# Altium PCB PCB5.PcbDoc (part 15 of 16) (continued)
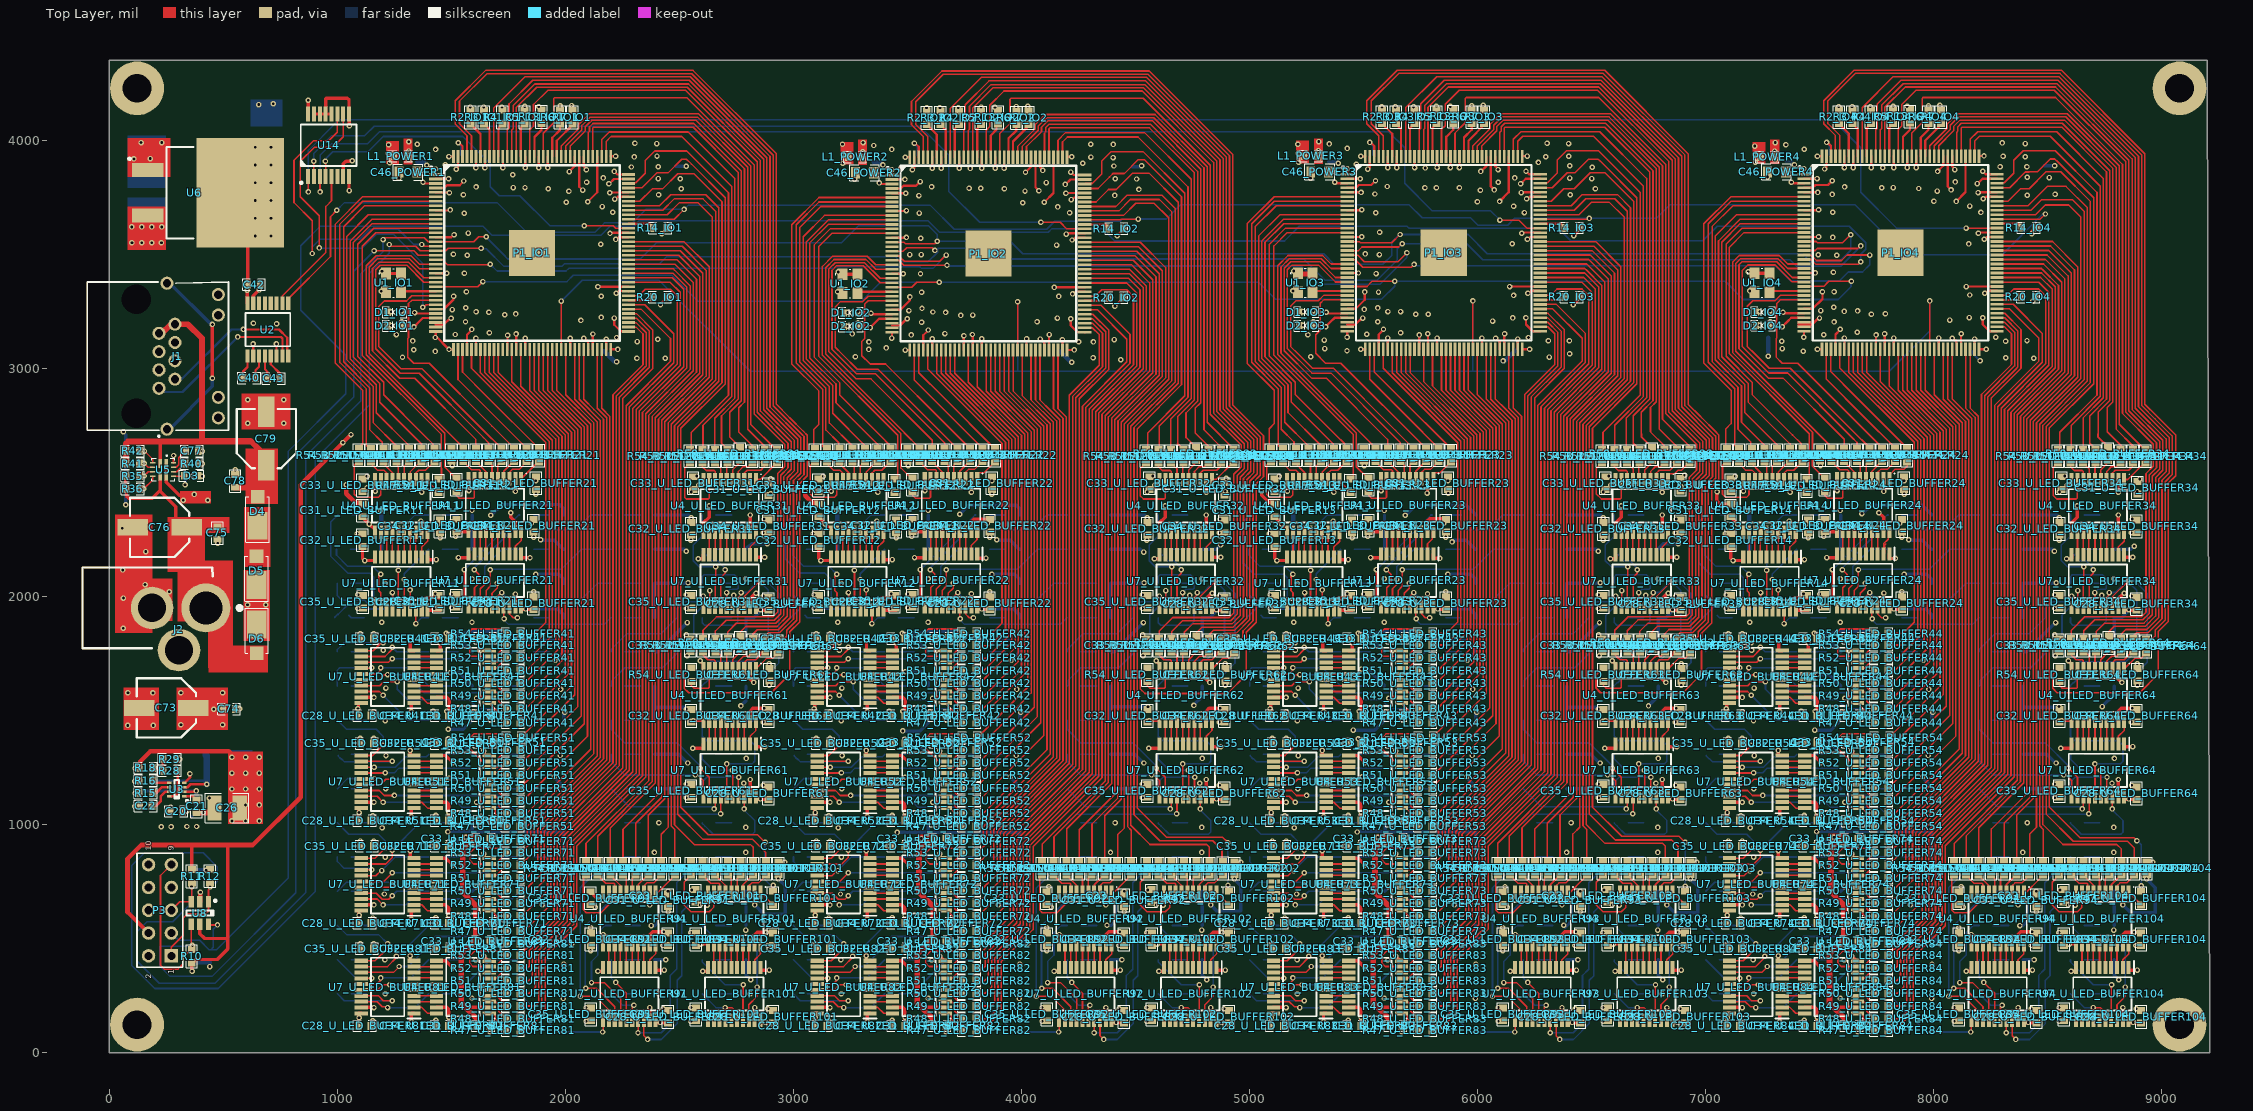
[diagram p0: Top Layer view]
## Nets (pads, with @x,y where several pads share a name; then routed paths per layer and width w, separated by ;. In a path a pad name is that pad's centre, name@x,y a point inside that pad or via, vN(x,y) a via of type N, cw(c..) or ccw(c..) an arc to the next point about the centre after c; other vN are vias at no path point) (continued)
  Bottom Layer w15: v1(1477.78,1838.7) 1510.6,1838.7 ; v1(1485.19,968.51) 1486.6,969.93 1593.51,969.93 1595.27,968.16 1992.13,968.16 D7_U_LED_BUFFER51.1@1992.13,1007.16 D10_U_LED_BUFFER71.1@1992.13,857.16 ; v1(1487.41,1376.34) 1522.95,1376.34 D12_U_LED_BUFFER51.1@1592.13,1307.16 ; v1@1488.19,1417.32 1552.29,1417.32 D7_U_LED_BUFFER41.1@1592.13,1457.16 ; v1(1488.65,923.97) 1525.32,923.97 D11_U_LED_BUFFER71.1@1592.13,857.16 ; v1@1491.79,1201.71 1491.79,1201.12 1492.13,1200.79 1548.5,1200.79 D9_U_LED_BUFFER51.1@1592.13,1157.16 ; v1(1496.27,1664.89) 1534.4,1664.89 D10_U_LED_BUFFER41.1@1592.13,1607.16 ; D8_U_LED_BUFFER71.1@1592.13,707.16 v1@1611.38,726.42 ; 1592.13,971.3 D13_U_LED_BUFFER71.1@1592.13,1007.16 ; D13_U_LED_BUFFER41.1@1592.13,1757.16 1510.6,1838.7 ; D9_U_LED_BUFFER11.1@1592.13,2207.16 D10_U_LED_BUFFER11.1@1592.13,2357.16 ; v1@1680,2360 1723.16,2403.16 1974.35,2403.16 1992.13,2385.39 D14_U_LED_BUFFER21.1@1992.13,2357.16 ; v1(1826.32,1945.38) 1826.47,1945.52 1965.27,1945.52 1992.13,1918.67 D7_U_LED_BUFFER21.1@1992.13,1907.16 ; v1(1870.63,2097.16) 1970.63,2097.16 1992.13,2075.67 D10_U_LED_BUFFER21.1@1992.13,2057.16 ; v1(1891.38,2248.48) 1892.69,2247.16 1950.63,2247.16 1990.63,2207.16 D12_U_LED_BUFFER21.1@1992.13,2207.16 ; v1@1897.63,645.16 1930.13,645.16 D7_U_LED_BUFFER71.1@1992.13,707.16 ; v1@1950.63,1207.16 1992.13,1165.67 D8_U_LED_BUFFER51.1@1992.13,1157.16 ; v1(1955.08,1719.35) 1992.13,1756.39 D12_U_LED_BUFFER41.1@1992.13,1757.16 1992.13,1765.67 1950.63,1807.16 1790.63,1807.16 1750.63,1847.16 1570.63,1847.16 1562.16,1838.7 1510.6,1838.7 ; D8_U_LED_BUFFER41.1@1991.85,1450.06 1991.85,1456.89 D8_U_LED_BUFFER41.1@1992.13,1457.16 1992.13,1488.39 v1@1995.69,1491.95 ; D12_U_LED_BUFFER81.1@1992.13,557.16 1992.13,509.67 v1@2026.63,475.16 ; D10_U_LED_BUFFER91.1@2392.13,407.16 v1(2440.63,407.16) ; D11_U_LED_BUFFER91.1@2392.13,557.16 D11_U_LED_BUFFER91.1@2391.59,556.62 ; D12_U_LED_BUFFER91.1@2392.13,707.16 2392.13,685.67 2410.63,667.16 2410.63,575.67 D11_U_LED_BUFFER91.1@2391.59,556.62 ; D12_U_LED_BUFFER61.1@2392.13,1157.16 2490.63,1157.16 v1(2530.63,1117.16) ; D14_U_LED_BUFFER61.1@2392.13,1307.16 2497.2,1307.16 v1@2535.92,1268.44 ; D13_U_LED_BUFFER61.1@2392.13,1457.16 2392.13,1514.16 ; D13_U_LED_BUFFER31.1@2392.13,1607.16 2392.13,1514.16 ; D14_U_LED_BUFFER31.1@2392.13,1757.16 2406.63,1757.16 v1@2533.63,1884.16 ; D8_U_LED_BUFFER21.1@2392.13,1907.16 D9_U_LED_BUFFER21.1@2392.13,2057.16 2534.63,2057.16 v1@2536.63,2059.16 ; D11_U_LED_BUFFER21.1@2392.13,2207.16 2521.27,2207.16 v1(2530.08,2198.35) ; D13_U_LED_BUFFER21.1@2392.13,2357.16 2539.33,2357.16 v1(2551.92,2344.57) ; v1(2530.01,1506.1) 2521.94,1514.16 2392.13,1514.16 ; v1(2770,1520) 2792.13,1542.13 D8_U_LED_BUFFER31.1@2792.13,1607.16 ; D8_U_LED_BUFFER101.1@2792.13,407.16 2792.13,339.47 v1(2812.68,318.92) 2810.92,317.16 v1@2810.63,317.16 ; D7_U_LED_BUFFER101.1@2792.13,557.16 D7_U_LED_BUFFER91.1@2792.13,707.16 ; D10_U_LED_BUFFER61.1@2792.13,1457.16 2819.04,1457.16 v1(2871.3,1509.43) ; D7_U_LED_BUFFER31.1@2792.13,1757.16 D9_U_LED_BUFFER31.1@2792.13,1907.16 2826.14,1907.16 2854,1935.03 2854,1940.32 v1(2855.73,1942.04) ; D11_U_LED_BUFFER31.1@2792.13,2207.16 2792.13,2209.13 2798.41,2215.41 2800.38,2215.41 2816.73,2231.77 v1(2885.96,2231.77) ; v1(3455.55,965.11) 3456.38,965.94 3575.63,965.94 ; v1(3477.78,1838.7) 3510.6,1838.7 ; v1@3484.92,1412.32 3487.8,1409.45 3555.12,1409.45 3592.13,1446.46 D7_U_LED_BUFFER42.1@3592.13,1457.16 ; v1@3488.19,1370.08 3489.17,1371.06 3495.94,1371.06 3496.92,1370.08 3529.21,1370.08 3583.88,1315.41 3585.85,1315.41 3592.13,1309.13 D12_U_LED_BUFFER52.1@3592.13,1307.16 ; v1(3488.65,923.97) 3525.32,923.97 D11_U_LED_BUFFER72.1@3592.13,857.16 ; v1@3490.78,1206.8 3542.49,1206.8 D9_U_LED_BUFFER52.1@3592.13,1157.16 ; v1@3492.13,1669.29 3559.06,1669.29 3592.13,1636.22 D10_U_LED_BUFFER42.1@3592.13,1607.16 ; 3575.63,966.16 3592.13,966.16 ; D8_U_LED_BUFFER72.1@3592.13,707.16 v1@3611.38,726.42 ; D13_U_LED_BUFFER72.1@3592.13,1007.16 3592.13,966.16 ; D13_U_LED_BUFFER42.1@3592.13,1757.16 3510.6,1838.7 ; D9_U_LED_BUFFER12.1@3592.12,2207.17 D10_U_LED_BUFFER12.1@3592.12,2357.17 ; v1(3730,2360) 3770,2400 3977.52,2400 3992.13,2385.39 D14_U_LED_BUFFER22.1@3992.13,2357.16 ; v1(3826.32,1945.38) 3826.47,1945.52 3965.27,1945.52 3992.13,1918.67 D7_U_LED_BUFFER22.1@3992.13,1907.16 ; v1(3870.63,2097.16) 3970.63,2097.16 3992.13,2075.67 D10_U_LED_BUFFER22.1@3992.13,2057.16 ; v1(3891.38,2248.48) 3892.69,2247.16 3950.63,2247.16 3990.63,2207.16 D12_U_LED_BUFFER22.1@3992.13,2207.16 ; v1@3897.63,645.16 3930.13,645.16 D7_U_LED_BUFFER72.1@3992.13,707.16 ; v1@3950.63,1207.16 3992.13,1165.67 D8_U_LED_BUFFER52.1@3992.13,1157.16 ; v1(3955.08,1719.35) 3992.13,1756.39 D12_U_LED_BUFFER42.1@3992.13,1757.16 3992.13,1765.67 3950.63,1807.16 3790.63,1807.16 3750.63,1847.16 3570.63,1847.16 3562.16,1838.7 3510.6,1838.7 ; D8_U_LED_BUFFER42.1@3991.85,1450.06 3991.85,1456.89 D8_U_LED_BUFFER42.1@3992.13,1457.16 3992.13,1488.39 v1@3995.69,1491.95 ; D12_U_LED_BUFFER82.1@3992.13,557.16 3992.13,509.67 v1@4026.63,475.16 ; D10_U_LED_BUFFER72.1@3992.13,857.16 D7_U_LED_BUFFER52.1@3992.13,1007.16 3992.13,966.16 3592.13,966.16 ; D10_U_LED_BUFFER92.1@4392.13,407.16 v1(4440.63,407.16) ; D11_U_LED_BUFFER92.1@4392.13,557.16 4390.79,558.5 v1(4375.35,558.5) 4393.46,558.5 4410.63,575.67 4410.63,667.16 4392.13,685.67 D12_U_LED_BUFFER92.1@4392.13,707.16 ; D12_U_LED_BUFFER62.1@4392.13,1157.16 4490.63,1157.16 v1(4530.63,1117.16) ; D14_U_LED_BUFFER62.1@4392.13,1307.16 4497.2,1307.16 v1@4535.92,1268.44 ; D13_U_LED_BUFFER62.1@4392.13,1457.16 4392.13,1515.75 ; D13_U_LED_BUFFER32.1@4392.13,1607.16 4392.13,1515.75 ; D14_U_LED_BUFFER32.1@4392.13,1757.16 4406.63,1757.16 v1@4533.63,1884.16 ; D8_U_LED_BUFFER22.1@4392.13,1907.16 D9_U_LED_BUFFER22.1@4392.13,2057.16 4534.63,2057.16 v1@4536.63,2059.16 ; D11_U_LED_BUFFER22.1@4392.13,2207.16 4521.27,2207.16 4534.07,2194.37 v1(4536.62,2194.37) ; D13_U_LED_BUFFER22.1@4392.13,2357.16 4539.33,2357.16 v1(4551.92,2344.57) ; v1(4555.12,1515.75) 4392.13,1515.75 ; v1(4756.63,1521.96) 4756.63,1524.93 4792.13,1560.43 D8_U_LED_BUFFER32.1@4792.13,1607.16 ; D8_U_LED_BUFFER102.1@4792.13,407.16 4792.13,339.47 v1(4812.68,318.92) 4810.92,317.16 v1@4810.63,317.16 ; D7_U_LED_BUFFER102.1@4792.13,557.16 D7_U_LED_BUFFER92.1@4792.13,707.16 ; D10_U_LED_BUFFER62.1@4792.13,1457.16 4819.04,1457.16 v1(4871.3,1509.43) ; D7_U_LED_BUFFER32.1@4792.13,1757.16 D9_U_LED_BUFFER32.1@4792.13,1907.16 4826.14,1907.16 4854,1935.03 4854,1940.32 v1(4855.73,1942.04) ; D11_U_LED_BUFFER32.1@4792.13,2207.16 4854.66,2207.16 v1(4873.19,2225.7) ; v1@5456.69,1413.39 5548.35,1413.39 D7_U_LED_BUFFER43.1@5592.13,1457.16 ; v1@5474.14,966.4 5477.67,969.93 5573.94,969.93 5575.7,968.16 5595.27,968.16 ; v1@5476.38,1374.02 5477.65,1375.29 5524,1375.29 D12_U_LED_BUFFER53.1@5592.13,1307.16 ; v1(5477.78,1838.7) 5510.6,1838.7 ; v1(5488.65,923.97) 5525.32,923.97 D11_U_LED_BUFFER73.1@5592.13,857.16 ; v1@5492.13,1681.1 5518.19,1681.1 D10_U_LED_BUFFER43.1@5592.13,1607.16 ; v1@5496.06,1208.66 5540.63,1208.66 D9_U_LED_BUFFER53.1@5592.13,1157.16 ; D8_U_LED_BUFFER73.1@5592.13,707.16 v1@5611.38,726.42 ; D13_U_LED_BUFFER73.1@5592.13,1007.16 5595.27,1004.03 5595.27,968.16 ; D13_U_LED_BUFFER43.1@5592.13,1757.16 5510.6,1838.7 ; D9_U_LED_BUFFER13.1@5592.13,2207.16 D10_U_LED_BUFFER13.1@5592.13,2357.16 ; v1@5690,2360 5730,2400 5951.26,2400 5992.13,2359.13 D14_U_LED_BUFFER23.1@5992.13,2357.16 ; v1(5826.32,1945.38) 5826.47,1945.52 5965.27,1945.52 5992.13,1918.67 D7_U_LED_BUFFER23.1@5992.13,1907.16 ; v1(5870.63,2097.16) 5970.63,2097.16 5992.13,2075.67 D10_U_LED_BUFFER23.1@5992.13,2057.16 ; v1(5888.33,2238.83) 5888.33,2242.72 5888.29,2242.76 5892.69,2247.16 5950.63,2247.16 5990.63,2207.16 D12_U_LED_BUFFER23.1@5992.13,2207.16 ; v1@5897.63,645.16 5930.13,645.16 D7_U_LED_BUFFER73.1@5992.13,707.16 ; v1@5950.63,1207.16 5992.13,1165.67 D8_U_LED_BUFFER53.1@5992.13,1157.16 ; v1(5955.08,1719.35) 5992.13,1756.39 D12_U_LED_BUFFER43.1@5992.13,1757.16 5992.13,1765.67 5950.63,1807.16 5790.63,1807.16 5750.63,1847.16 5570.63,1847.16 5562.16,1838.7 5510.6,1838.7 ; D8_U_LED_BUFFER43.1@5991.85,1450.06 5991.85,1456.89 D8_U_LED_BUFFER43.1@5992.13,1457.16 5992.13,1488.39 v1@5995.69,1491.95 ; D12_U_LED_BUFFER83.1@5992.13,557.16 5992.13,509.67 v1@6026.63,475.16 ; D10_U_LED_BUFFER73.1@5992.13,857.16 D7_U_LED_BUFFER53.1@5992.13,1007.16 5992.13,968.16 5595.27,968.16 ; D10_U_LED_BUFFER93.1@6392.13,407.16 v1(6440.63,407.16) ; D11_U_LED_BUFFER93.1@6392.13,557.16 D11_U_LED_BUFFER93.1@6384.96,550 ; D12_U_LED_BUFFER93.1@6392.13,707.16 6392.13,685.67 6410.63,667.16 6410.63,575.67 D11_U_LED_BUFFER93.1@6384.96,550 ; D12_U_LED_BUFFER63.1@6392.13,1157.16 6490.63,1157.16 v1(6530.63,1117.16) ; D14_U_LED_BUFFER63.1@6392.13,1307.16 6497.2,1307.16 v1@6535.92,1268.44 ; D13_U_LED_BUFFER63.1@6392.13,1457.16 6392.13,1514.16 ; D13_U_LED_BUFFER33.1@6392.13,1607.16 6392.13,1514.16 ; D14_U_LED_BUFFER33.1@6392.13,1757.16 6406.63,1757.16 v1@6533.63,1884.16 ; D8_U_LED_BUFFER23.1@6392.13,1907.16 D9_U_LED_BUFFER23.1@6392.13,2057.16 6534.63,2057.16 v1@6536.63,2059.16 ; D11_U_LED_BUFFER23.1@6392.13,2207.16 6521.27,2207.16 v1(6530.08,2198.35) ; D13_U_LED_BUFFER23.1@6392.13,2357.16 6539.33,2357.16 v1(6551.92,2344.57) ; v1(6530.01,1506.1) 6521.94,1514.16 6392.13,1514.16 ; v1(6750,1520) 6792.13,1562.13 D8_U_LED_BUFFER33.1@6792.13,1607.16 ; D8_U_LED_BUFFER103.1@6792.13,407.16 6792.13,339.47 v1(6812.68,318.92) 6810.92,317.16 v1@6810.63,317.16 ; D7_U_LED_BUFFER103.1@6792.13,557.16 D7_U_LED_BUFFER93.1@6792.13,707.16 ; D10_U_LED_BUFFER63.1@6792.13,1457.16 6819.04,1457.16 v1(6871.3,1509.43) ; D7_U_LED_BUFFER33.1@6792.13,1757.16 D9_U_LED_BUFFER33.1@6792.13,1907.16 6826.14,1907.16 6854,1935.03 6854,1940.32 v1(6855.73,1942.04) ; D11_U_LED_BUFFER33.1@6792.13,2207.16 6792.13,2209.13 6798.41,2215.41 6800.38,2215.41 6815.53,2230.57 6879.43,2230.57 v1@6880,2230 ; v1(7477.78,1838.7) 7510.6,1838.7 ; v1@7480.32,1413.39 7548.35,1413.39 D7_U_LED_BUFFER44.1@7592.13,1457.16 ; v1(7487.05,969.05) 7488.69,970.69 7592.13,970.69 ; v1@7488.19,1370.08 7529.21,1370.08 D12_U_LED_BUFFER54.1@7592.13,1307.16 ; v1(7488.65,923.97) 7525.32,923.97 D11_U_LED_BUFFER74.1@7592.13,857.16 ; v1(7490.22,1203.87) 7545.42,1203.87 D9_U_LED_BUFFER54.1@7592.13,1157.16 ; v1@7492.13,1657.48 7541.81,1657.48 D10_U_LED_BUFFER44.1@7592.13,1607.16 ; D8_U_LED_BUFFER74.1@7592.13,707.16 v1@7611.38,726.42 ; D13_U_LED_BUFFER74.1@7592.13,1007.16 7592.13,970.69 ; D13_U_LED_BUFFER44.1@7592.13,1757.16 7510.6,1838.7 ; D9_U_LED_BUFFER14.1@7592.13,2207.16 D10_U_LED_BUFFER14.1@7592.13,2357.16 ; v1@7688.05,2362.02 7726.03,2400 7951.26,2400 7992.13,2359.13 D14_U_LED_BUFFER24.1@7992.13,2357.16 ; v1(7826.32,1945.38) 7826.47,1945.52 7965.27,1945.52 7992.13,1918.67 D7_U_LED_BUFFER24.1@7992.13,1907.16 ; v1(7870.63,2097.16) 7970.63,2097.16 7992.13,2075.67 D10_U_LED_BUFFER24.1@7992.13,2057.16 ; v1(7891.38,2248.48) 7892.69,2247.16 7950.63,2247.16 7990.63,2207.16 D12_U_LED_BUFFER24.1@7992.13,2207.16 ; v1@7897.63,645.16 7930.13,645.16 D7_U_LED_BUFFER74.1@7992.13,707.16 ; v1@7950.63,1207.16 7992.13,1165.67 D8_U_LED_BUFFER54.1@7992.13,1157.16 ; v1(7955.08,1719.35) 7992.13,1756.39 D12_U_LED_BUFFER44.1@7992.13,1757.16 7992.13,1765.67 7950.63,1807.16 7790.63,1807.16 7750.63,1847.16 7570.63,1847.16 7562.16,1838.7 7510.6,1838.7 ; D8_U_LED_BUFFER44.1@7991.85,1450.06 7991.85,1456.89 D8_U_LED_BUFFER44.1@7992.13,1457.16 7992.13,1488.39 v1@7995.69,1491.95 ; D12_U_LED_BUFFER84.1@7992.13,557.16 7992.13,509.67 v1@8026.63,475.16 ; D10_U_LED_BUFFER74.1@7992.13,857.16 D7_U_LED_BUFFER54.1@7992.13,1007.16 7992.13,970.69 7592.13,970.69 ; D10_U_LED_BUFFER94.1@8392.13,407.16 v1(8440.63,407.16) ; D11_U_LED_BUFFER94.1@8392.13,557.16 D11_U_LED_BUFFER94.1@8391.51,556.54 ; D12_U_LED_BUFFER94.1@8392.13,707.16 8392.13,685.67 8410.63,667.16 8410.63,575.67 D11_U_LED_BUFFER94.1@8391.51,556.54 ; D12_U_LED_BUFFER64.1@8392.13,1157.16 8490.63,1157.16 v1(8530.63,1117.16) ; D14_U_LED_BUFFER64.1@8392.13,1307.16 8497.2,1307.16 v1@8535.92,1268.44 ; D13_U_LED_BUFFER64.1@8392.13,1457.16 8392.13,1514.16 ; D13_U_LED_BUFFER34.1@8392.13,1607.16 8392.13,1514.16 ; D14_U_LED_BUFFER34.1@8392.13,1757.16 8406.63,1757.16 v1@8533.63,1884.16 ; D8_U_LED_BUFFER24.1@8392.13,1907.16 D9_U_LED_BUFFER24.1@8392.13,2057.16 8534.63,2057.16 v1@8536.63,2059.16 ; D11_U_LED_BUFFER24.1@8392.13,2207.16 8521.27,2207.16 v1(8530.08,2198.35) ; D13_U_LED_BUFFER24.1@8392.13,2357.16 8539.33,2357.16 v1(8551.92,2344.57) ; v1(8550.63,1517.17) 8547.63,1514.16 8392.13,1514.16 ; v1(8740.28,1516.9) 8740.28,1518.19 8792.13,1570.04 D8_U_LED_BUFFER34.1@8792.13,1607.16 ; D8_U_LED_BUFFER104.1@8792.13,407.16 8792.13,339.47 v1(8812.68,318.92) 8810.92,317.16 v1@8810.63,317.16 ; D7_U_LED_BUFFER104.1@8792.13,557.16 D7_U_LED_BUFFER94.1@8792.13,707.16 ; D10_U_LED_BUFFER64.1@8792.13,1457.16 8819.04,1457.16 v1(8871.3,1509.43) ; D7_U_LED_BUFFER34.1@8792.13,1757.16 D9_U_LED_BUFFER34.1@8792.13,1907.16 8826.14,1907.16 8854,1935.03 8854,1940.32 v1(8855.73,1942.04) ; D11_U_LED_BUFFER34.1@8792.13,2207.16 8864.73,2207.16 8877.56,2220 v1(8880,2220) ; D11_U_LED_BUFFER91.1@2391.59,556.62 v1(2376.24,556.62) D11_U_LED_BUFFER91.1@2391.59,556.62 ; D11_U_LED_BUFFER93.1@6378.8,556.16 v1(6378.8,557.86) D11_U_LED_BUFFER93.1@6378.8,556.16 ; D11_U_LED_BUFFER93.1@6378.8,556.16 D11_U_LED_BUFFER93.1@6384.96,550 ; D11_U_LED_BUFFER93.1@6378.8,556.16 D11_U_LED_BUFFER93.1@6384.96,550 ; D11_U_LED_BUFFER94.1@8391.51,556.54 v1(8378.6,556.54) D11_U_LED_BUFFER94.1@8391.51,556.54
  Bottom Layer w20: D13_U_LED_BUFFER11.1@1192.13,2207.16 D14_U_LED_BUFFER11.1@1192.13,2357.16 ; D13_U_LED_BUFFER12.1@3192.12,2207.17 D14_U_LED_BUFFER12.1@3192.12,2357.17 ; D13_U_LED_BUFFER13.1@5192.13,2207.16 D14_U_LED_BUFFER13.1@5192.13,2357.16 ; D13_U_LED_BUFFER14.1@7192.13,2207.16 D14_U_LED_BUFFER14.1@7192.13,2357.16
  other v1: 2415.73,132.04 2875.73,132.04 4415.73,132.04 4875.73,132.04 6415.73,132.04 6875.73,132.04 8415.73,132.04 8875.73,132.04 2090.63,137.16 2550.63,137.16 4090.63,137.16 4550.63,137.16 6090.63,137.16 6550.63,137.16 8090.63,137.16 8550.63,137.16 1095.51,152.07 3095.51,152.07 5095.51,152.07 7095.51,152.07 1489.64,154.17 3489.64,154.17 5489.64,154.17 7489.64,154.17 1590.63,237.16 1991.1,237.16 3590.63,237.16 3991.1,237.16 5590.63,237.16 5991.1,237.16 7590.63,237.16 7991.1,237.16 1210.63,257.16 2410.63,257.16 2810.63,257.16 3210.63,257.16 4410.63,257.16 4810.63,257.16 5210.63,257.16 6410.63,257.16 6810.63,257.16 7210.63,257.16 8410.63,257.16 8810.63,257.16 1993.22,388.15 3993.22,388.15 5993.22,388.15 7993.22,388.15 1607.51,405.22 3607.51,405.22 5607.51,405.22 7607.51,405.22 1208.74,406.63 3208.74,406.63 5208.74,406.63 7208.74,406.63 1510.63,457.16 3510.63,457.16 5510.63,457.16 7510.63,457.16 2028.08,476.35 4028.08,476.35 6028.08,476.35 8028.08,476.35 1100.63,477.16 3100.63,477.16 5100.63,477.16 7100.63,477.16 2550.01,526.1 4550.01,526.1 6550.01,526.1 8550.01,526.1 2880.63,527.16 4880.63,527.16 6880.63,527.16 8880.63,527.16 2790.63,537.16 4790.63,537.16 6790.63,537.16 8790.63,537.16 2110.63,547.16 4110.63,547.16 6110.63,547.16 8110.63,547.16 1210.86,557.67 3210.86,557.67 5210.86,557.67 7210.86,557.67 1570.87,569.16 3570.87,569.16 5570.87,569.16 7570.87,569.16 1489.64,601.57 3489.64,601.57 5489.64,601.57 7489.64,601.57 1095.51,602.07 3095.51,602.07 5095.51,602.07 7095.51,602.07 1898.08,647.35 3898.08,647.35 5898.08,647.35 7898.08,647.35 1206.67,695.11 3206.67,695.11 5206.67,695.11 7206.67,695.11 1610.63,727.16 3610.63,727.16 5610.63,727.16 7610.63,727.16 1210.63,857.16 3210.63,857.16 5210.63,857.16 7210.63,857.16 2390.63,877.16 2790.63,877.16 4390.63,877.16 4790.63,877.16 6390.63,877.16 6790.63,877.16 8390.63,877.16 8790.63,877.16 1100.63,927.16 3100.63,927.16 5100.63,927.16 7100.63,927.16 5473,966.94 1196.51,985.75 3196.51,985.75 5196.51,985.75 7196.51,985.75 2790.63,987.16 4790.63,987.16 6790.63,987.16 8790.63,987.16 2410.63,1007.16 4410.63,1007.16 6410.63,1007.16 8410.63,1007.16 538.02,1015.75 597.75,1015.75 657.48,1015.75 1095.51,1052.07 3095.51,1052.07 5095.51,1052.07 7095.51,1052.07 1489.64,1054.57 3489.64,1054.57 5489.64,1054.57 7489.64,1054.57 538.02,1085.63 597.75,1085.63 657.48,1085.63 2855.73,1112.04 4855.73,1112.04 6855.73,1112.04 8855.73,1112.04 538.02,1155.51 597.75,1155.51 657.48,1155.51 1211.77,1157.57 3211.77,1157.57 5211.77,1157.57 7211.77,1157.57 2782.56,1180.38 4782.56,1180.38 6782.56,1180.38 8782.56,1180.38 1490.65,1202.25 3489.64,1207.34 1952.08,1208.35 3952.08,1208.35 5952.08,1208.35 7952.08,1208.35 5494.92,1209.21 538.02,1225.39 597.75,1225.39 657.48,1225.39 113.02,1246.53 2537.38,1269.62 4537.38,1269.62 6537.38,1269.62 8537.38,1269.62 2793.12,1289.43 4793.12,1289.43 6793.12,1289.43 8793.12,1289.43 538.02,1295.28 597.75,1295.28 657.48,1295.28 1213.54,1302.32 1977.2,1302.43 3213.54,1302.32 3977.2,1302.43 5213.54,1302.32 5977.2,1302.43 7213.54,1302.32 7977.2,1302.43 7486.25,1371.38 3487.85,1372.78 5476.64,1375.84 1100.63,1377.16 3100.63,1377.16 5100.63,1377.16 7100.63,1377.16 3479.17,1409.99 5455.55,1413.93 7479.17,1413.93 1487.05,1417.87 1210.44,1454.82 3210.44,1454.82 5210.44,1454.82 7210.44,1454.82 1997.14,1493.13 3997.14,1493.13 5997.14,1493.13 7997.14,1493.13 1480.48,1497.52 3480.48,1497.52 5480.48,1497.52 7480.48,1497.52 1090.63,1507.16 3090.63,1507.16 5090.63,1507.16 7090.63,1507.16 1979.08,1592.35 3979.08,1592.35 5979.08,1592.35 7979.08,1592.35 1213.05,1598.18 3213.05,1598.18 5213.05,1598.18 7213.05,1598.18 7490.98,1658.02 3490.98,1669.84 5490.98,1681.65 1201.9,1763.79 3201.9,1763.79 5201.9,1763.79 7201.9,1763.79 1100.63,1837.16 3100.63,1837.16 5100.63,1837.16 7100.63,1837.16 2535.08,1885.35 4535.08,1885.35 6535.08,1885.35 8535.08,1885.35 1194.51,1886.24 3194.51,1886.24 5194.51,1886.24 7194.51,1886.24 1590.63,1887.16 3590.63,1887.16 5590.63,1887.16 7590.63,1887.16 1424.93,1945.77 3424.93,1945.77 5424.93,1945.77 7424.93,1945.77 1090.63,1947.16 2530.63,1947.16 3090.63,1947.16 4530.63,1947.16 5090.63,1947.16 6530.63,1947.16 7090.63,1947.16 8530.63,1947.16 1501.23,1950.5 3501.23,1950.5 5501.23,1950.5 7501.23,1950.5 1210.63,2057.16 3210.63,2057.16 5210.63,2057.16 7210.63,2057.16 2538.08,2060.35 4538.08,2060.35 6538.08,2060.35 8538.08,2060.35 1590.63,2077.16 2790.63,2077.16 3590.63,2077.16 4790.63,2077.16 5590.63,2077.16 6790.63,2077.16 7590.63,2077.16 8790.63,2077.16 6880.57,2230.57 1086.43,2275.89 3086.43,2275.89 5086.43,2275.89 7086.43,2275.89 1440.63,2317.16 3440.63,2317.16 5440.63,2317.16 7440.63,2317.16 1851.23,2320.5 3851.23,2320.5 5851.23,2320.5 7851.23,2320.5 1499.7,2327.65 3499.7,2327.65 5499.7,2327.65 7499.7,2327.65 1366.54,2330.45 3366.54,2330.45 5366.54,2330.45 7366.54,2330.45 2871.3,2339.43 4871.3,2339.43 6871.3,2339.43 8871.3,2339.43 1673.02,2356.53 5683.02,2356.53 7686.11,2363.59 1190.63,2377.16 1590.63,2377.16 3190.63,2377.16 3590.63,2377.16 5190.63,2377.16 5590.63,2377.16 7190.63,2377.16 7590.63,2377.16 99.61,3550.54 142.69,3550.54 185.77,3550.54 228.86,3550.54 98.86,3620.54 142.44,3620.54 186.02,3620.54 229.61,3620.54
VCC_12V: C19.2 C20.2 C73.1 C74.2 D5.1 D6.1 R15.2 R37.1 U3.2 U5.1 U5.8 | length 750.5
  Top Layer w12: U3.2@329.22,1143.86 378.64,1143.86 v1(381.94,1147.17)
  Top Layer w15: U5.1@250.34,2582.94 U5.8@250.34,2529.79 250.34,2500.58 306.96,2443.96 407.97,2443.96
  Bottom Layer w12: v1(113.02,1136.53) 123.65,1147.17 v1(381.94,1147.17) ; C19.2@359.94,1032.33 C19.2@381.94,1054.34
  Bottom Layer w15: v1@332.5,2492.24 332.78,2492.53 R37.1@332.78,2527.84
  Bottom Layer w20: C19.2@381.94,1054.34 v1(381.94,1147.17)
  other v1: 340.42,991.13 382.62,991.13 340.92,1058.83 314.04,1437.67 496.74,1437.67 458.54,1505.37 314.04,1578.17 496.74,1578.17 606.24,1963.07 685.74,1963.07 324.28,2421.74 431.68,2421.74 372.28,2447.34 332.18,2489.24
VCC_FPGA_IO1: C2_POWER1.1 C3_POWER1.1 C4_POWER1.1 C5_POWER1.1 C6_POWER1.1 C7_POWER1.1 C9_POWER1.1 C10_POWER1.2 C11_POWER1.2 C12_POWER1.1 C13_POWER1.1 C15_POWER1.1 C16_POWER1.1 C17_POWER1.1 C23_POWER1.1 C24_POWER1.1 C45_POWER1.1 C46_POWER1.2 C47_POWER1.1 C48_POWER1.1 C49_POWER1.1 C51_POWER1.1 C52_POWER1.1 C53_POWER1.1 C54_POWER1.1 C55_POWER1.2 C56_POWER1.2 C57_POWER1.1 C58_POWER1.1 C59_POWER1.1 C60_POWER1.1 C61_POWER1.1 C62_POWER1.1 C64_POWER1.1 C65_POWER1.1 C66_POWER1.1 C67_POWER1.1 C68_POWER1.1 C69_POWER1.2 C70_POWER1.2 C71_POWER1.2 C72_POWER1.2 L1_POWER1.2 L3_POWER1.2 P1_IO1.1 P1_IO1.2 P1_IO1.5 P1_IO1.9 P1_IO1.23 P1_IO1.31 P1_IO1.34 P1_IO1.35 P1_IO1.36 P1_IO1.37 P1_IO1.40 P1_IO1.49 P1_IO1.51 P1_IO1.67 P1_IO1.71 P1_IO1.72 P1_IO1.73 P1_IO1.82 P1_IO1.94 P1_IO1.103 P1_IO1.107 P1_IO1.108 P1_IO1.109 P1_IO1.115 P1_IO1.117 P1_IO1.128 P1_IO1.139 P1_IO1.143 P1_IO1.144 R1_IO1.1 R2_IO1.1 R3_IO1.1 R4_IO1.1 R5_IO1.1 R6_IO1.1 R7_IO1.1 R14_IO1.2 R20_IO1.2 | length 1793.6
  Top Layer w10: v1(1430.73,3874.5) 1430.73,3851.21 P1_IO1.1@1431.34,3850.6 P1_IO1.1@1431.59,3850.35 ; 1431.34,3191.15 1466.11,3191.15 1485.83,3210.87 1486.04,3210.87 1495.04,3219.87 v1(1498.83,3219.87) ; P1_IO1.31@1431.34,3260.05 1431.56,3260.27 1468.23,3260.27 1509.83,3301.87 v1(1509.83,3315.87) ; P1_IO1.23@1431.34,3417.53 v1(1480.29,3417.53) ; P1_IO1.9@1431.34,3693.12 1431.59,3692.87 1492.7,3692.87 v1@1495.41,3695.58 ; P1_IO1.5@1431.34,3771.86 1431.89,3771.31 1491.05,3771.31 v1(1491.6,3770.77) ; P1_IO1.2@1431.34,3830.91 1431.59,3831.16 1487.89,3831.16 v1(1488.13,3831.4) ; P1_IO1.36@1431.46,3161.74 P1_IO1.36@1431.34,3161.62 1431.34,3141.62 1489.61,3083.35 P1_IO1.37@1509.61,3083.35 ; v1(1489.59,3928.97) 1489.69,3928.87 P1_IO1.144@1509.61,3928.87 P1_IO1.144@1509.85,3929.11 ; v1(1521.15,3873.39) 1521.29,3873.39 1529.29,3881.4 P1_IO1.143@1529.29,3928.87 ; P1_IO1.40@1568.66,3083.35 1568.66,3147.7 1589.89,3168.92 v1(1589.89,3171.06) ; v1(1608.03,3879.92) P1_IO1.139@1608.03,3928.87 ; P1_IO1.49@1745.83,3083.35 1746.33,3083.85 1746.33,3145.37 v1(1746.83,3145.87) ; v1(1784.07,3151.25) 1785.05,3150.27 1785.05,3083.5 P1_IO1.51@1785.2,3083.35 ; v1(1824.57,3879.92) P1_IO1.128@1824.57,3928.87 ; v1(2016.78,3862.98) 2041.11,3887.31 P1_IO1.117@2041.11,3928.87 ; P1_IO1.115@2080.48,3928.87 2080.48,3885.53 2092.29,3873.72 v1(2092.29,3870.9) ; v1(2081.28,3131.39) 2084.35,3131.39 2099.26,3116.49 2099.26,3084.26 P1_IO1.67@2100.16,3083.35 ; v1@2179.83,3125.87 2178.87,3124.9 P1_IO1.71@2178.87,3083.39 ; v1@2192.83,3809.87 2213.88,3830.91 P1_IO1.107@2276.85,3830.91 ; P1_IO1.72@2198.59,3083.35 P1_IO1.72@2198.59,3083.35 v1(2230.25,3083.4) ; P1_IO1.109@2198.59,3928.87 2200.26,3930.54 v1(2220.21,3930.54) ; v1(2214.71,3220.9) 2214.71,3191.54 2243.72,3162.53 2275.95,3162.53 P1_IO1.73@2276.85,3161.62 ; v1(2214.81,3863.82) 2228.03,3850.6 P1_IO1.108@2276.85,3850.6 ; v1(2217.07,3742.81) 2220.85,3742.81 2230.22,3752.17 P1_IO1.103@2276.85,3752.17 ; v1(2220.88,3565.68) 2224.14,3565.68 2233.73,3575.27 2276.59,3575.27 P1_IO1.94@2276.85,3575.01 ; v1(2223.31,3329.09) 2227.1,3329.09 2237.67,3339.67 2275.97,3339.67 P1_IO1.82@2276.85,3338.79 ; v1(2417.33,3279.15) 2417.33,3282.86 2444.83,3310.37 R20_IO1.2@2444.83,3312.87 ; v1(2421.82,3591.13) 2423.6,3591.13 2445.83,3613.37 R14_IO1.2@2445.83,3615.87 ; P1_IO1.71@2178.87,3083.39 P1_IO1.71@2178.9,3083.35
  other v1: 2438.56,3044.29 1334.83,3082.37 1489.82,3083.14 1330.93,3120.47 2178.83,3127.87 2405.33,3128.37 1430.02,3135.57 1667.03,3156.07 1504.48,3257.99 1570.13,3496.37 1573.71,3593.31 1494.83,3694.87 2408.63,3761.37 2191.13,3809.48 2407.53,3832.57 2166.43,3835.07 1769.51,3848.97 1376.13,3853.27 2406.93,3884.87 1312.18,3917.64 2302.43,3927.17 1313.37,3953.24 2305.23,3987.77 1312.77,3993.61 1582.83,4145.87 1641.83,4145.87 1721.83,4145.87 1821.83,4148.87 1976.83,4150.87 2027.12,4152.42
VCC_FPGA_IO2: C2_POWER2.1 C3_POWER2.1 C4_POWER2.1 C5_POWER2.1 C6_POWER2.1 C7_POWER2.1 C9_POWER2.1 C10_POWER2.2 C11_POWER2.2 C12_POWER2.1 C13_POWER2.1 C15_POWER2.1 C16_POWER2.1 C17_POWER2.1 C23_POWER2.1 C24_POWER2.1 C45_POWER2.1 C46_POWER2.2 C47_POWER2.1 C48_POWER2.1 C49_POWER2.1 C51_POWER2.1 C52_POWER2.1 C53_POWER2.1 C54_POWER2.1 C55_POWER2.2 C56_POWER2.2 C57_POWER2.1 C58_POWER2.1 C59_POWER2.1 C60_POWER2.1 C61_POWER2.1 C62_POWER2.1 C64_POWER2.1 C65_POWER2.1 C66_POWER2.1 C67_POWER2.1 C68_POWER2.1 C69_POWER2.2 C70_POWER2.2 C71_POWER2.2 C72_POWER2.2 L1_POWER2.2 L3_POWER2.2 P1_IO2.1 P1_IO2.2 P1_IO2.5 P1_IO2.9 P1_IO2.23 P1_IO2.31 P1_IO2.34 P1_IO2.35 P1_IO2.36 P1_IO2.37 P1_IO2.40 P1_IO2.49 P1_IO2.51 P1_IO2.67 P1_IO2.71 P1_IO2.72 P1_IO2.73 P1_IO2.82 P1_IO2.94 P1_IO2.103 P1_IO2.107 P1_IO2.108 P1_IO2.109 P1_IO2.115 P1_IO2.117 P1_IO2.128 P1_IO2.139 P1_IO2.143 P1_IO2.144 R1_IO2.1 R2_IO2.1 R3_IO2.1 R4_IO2.1 R5_IO2.1 R6_IO2.1 R7_IO2.1 R14_IO2.2 R20_IO2.2 R30.1 | length 1732.9
  Top Layer w10: v1(3431.12,3132.97) 3432.44,3134.3 P1_IO2.36@3432.44,3159.02 P1_IO2.36@3432.56,3159.14 ; v1(3431.83,3871.9) 3431.83,3848.61 P1_IO2.1@3432.44,3848 P1_IO2.1@3432.69,3847.75 ; 3432.44,3188.55 3467.21,3188.55 3486.93,3208.27 3487.14,3208.27 3496.14,3217.27 v1(3499.93,3217.27) ; P1_IO2.31@3432.44,3257.45 3432.66,3257.67 3469.33,3257.67 3510.93,3299.27 v1(3510.93,3313.27) ; P1_IO2.23@3432.44,3414.93 v1(3481.39,3414.93) ; P1_IO2.9@3432.44,3690.52 3432.69,3690.27 3493.8,3690.27 v1@3496.51,3692.98 ; P1_IO2.5@3432.44,3769.26 3432.99,3768.71 3492.15,3768.71 v1(3492.7,3768.17) ; P1_IO2.2@3432.44,3828.31 3432.69,3828.56 3488.99,3828.56 v1(3489.23,3828.8) ; v1(3490.69,3926.37) 3490.79,3926.27 P1_IO2.144@3510.71,3926.27 P1_IO2.144@3510.95,3926.51 ; v1(3490.92,3080.54) 3493.2,3080.54 3493.42,3080.75 P1_IO2.37@3510.71,3080.75 ; v1(3522.25,3870.79) 3522.39,3870.79 3530.39,3878.8 P1_IO2.143@3530.39,3926.27 ; P1_IO2.40@3569.76,3080.75 3569.76,3145.1 3590.99,3166.32 v1(3590.99,3168.46) ; v1(3609.13,3877.32) P1_IO2.139@3609.13,3926.27 ; P1_IO2.49@3746.93,3080.75 3747.43,3081.25 3747.43,3142.77 v1(3747.93,3143.27) ; v1(3785.17,3148.65) 3786.15,3147.67 3786.15,3080.9 P1_IO2.51@3786.3,3080.75 ; v1(3825.67,3877.32) P1_IO2.128@3825.67,3926.27 ; v1(4017.88,3860.38) 4042.21,3884.71 P1_IO2.117@4042.21,3926.27 ; P1_IO2.115@4081.58,3926.27 4081.58,3882.93 4093.39,3871.12 v1(4093.39,3868.3) ; v1(4082.38,3128.79) 4085.45,3128.79 4100.36,3113.89 4100.36,3081.66 P1_IO2.67@4101.26,3080.75 ; v1@4180.93,3123.27 4179.97,3122.3 P1_IO2.71@4179.97,3080.79 ; v1@4193.93,3807.27 4214.98,3828.31 P1_IO2.107@4277.95,3828.31 ; P1_IO2.72@4199.69,3080.75 P1_IO2.72@4199.69,3080.75 v1(4231.35,3080.8) ; P1_IO2.109@4199.69,3926.27 4201.36,3927.94 v1(4221.31,3927.94) ; v1(4215.81,3218.3) 4215.81,3188.94 4244.82,3159.93 4277.05,3159.93 P1_IO2.73@4277.95,3159.02 ; v1(4215.91,3861.22) 4229.13,3848 P1_IO2.108@4277.95,3848 ; v1(4218.17,3740.21) 4221.95,3740.21 4231.32,3749.57 P1_IO2.103@4277.95,3749.57 ; v1(4221.98,3563.08) 4225.24,3563.08 4234.83,3572.67 4277.69,3572.67 P1_IO2.94@4277.95,3572.41 ; v1(4224.41,3326.49) 4228.2,3326.49 4238.77,3337.07 4277.07,3337.07 P1_IO2.82@4277.95,3336.19 ; v1(4410.11,3272.39) 4410.55,3272.39 4445.93,3307.77 R20_IO2.2@4445.93,3310.27 ; v1(4419.99,3581.41) 4419.99,3583.83 4446.93,3610.77 R14_IO2.2@4446.93,3613.27 ; P1_IO2.71@4179.97,3080.79 P1_IO2.71@4180,3080.75
  other v1: 4435.89,3037.45 3330.83,3082.97 3331.23,3116.07 4179.93,3125.27 4407.23,3126.47 3664.73,3152.97 3506.73,3253.77 3560.93,3499.07 3558.35,3570.55 3495.93,3692.27 4006.13,3726.87 4408.83,3758.67 4192.23,3806.88 4411.13,3831.37 3376.13,3848.17 3775.77,3876.74 4405.68,3887.61 3305.22,3914.41 4304.83,3926.67 3304.46,3949.29 4304.13,3982.97 3305.8,3990.38 3583.93,4143.27 3642.93,4143.27 3722.93,4143.27 3822.93,4146.27 3977.93,4148.27 4028.22,4149.82